# KiCad board VCU_CM5.kicad_pcb (continued)
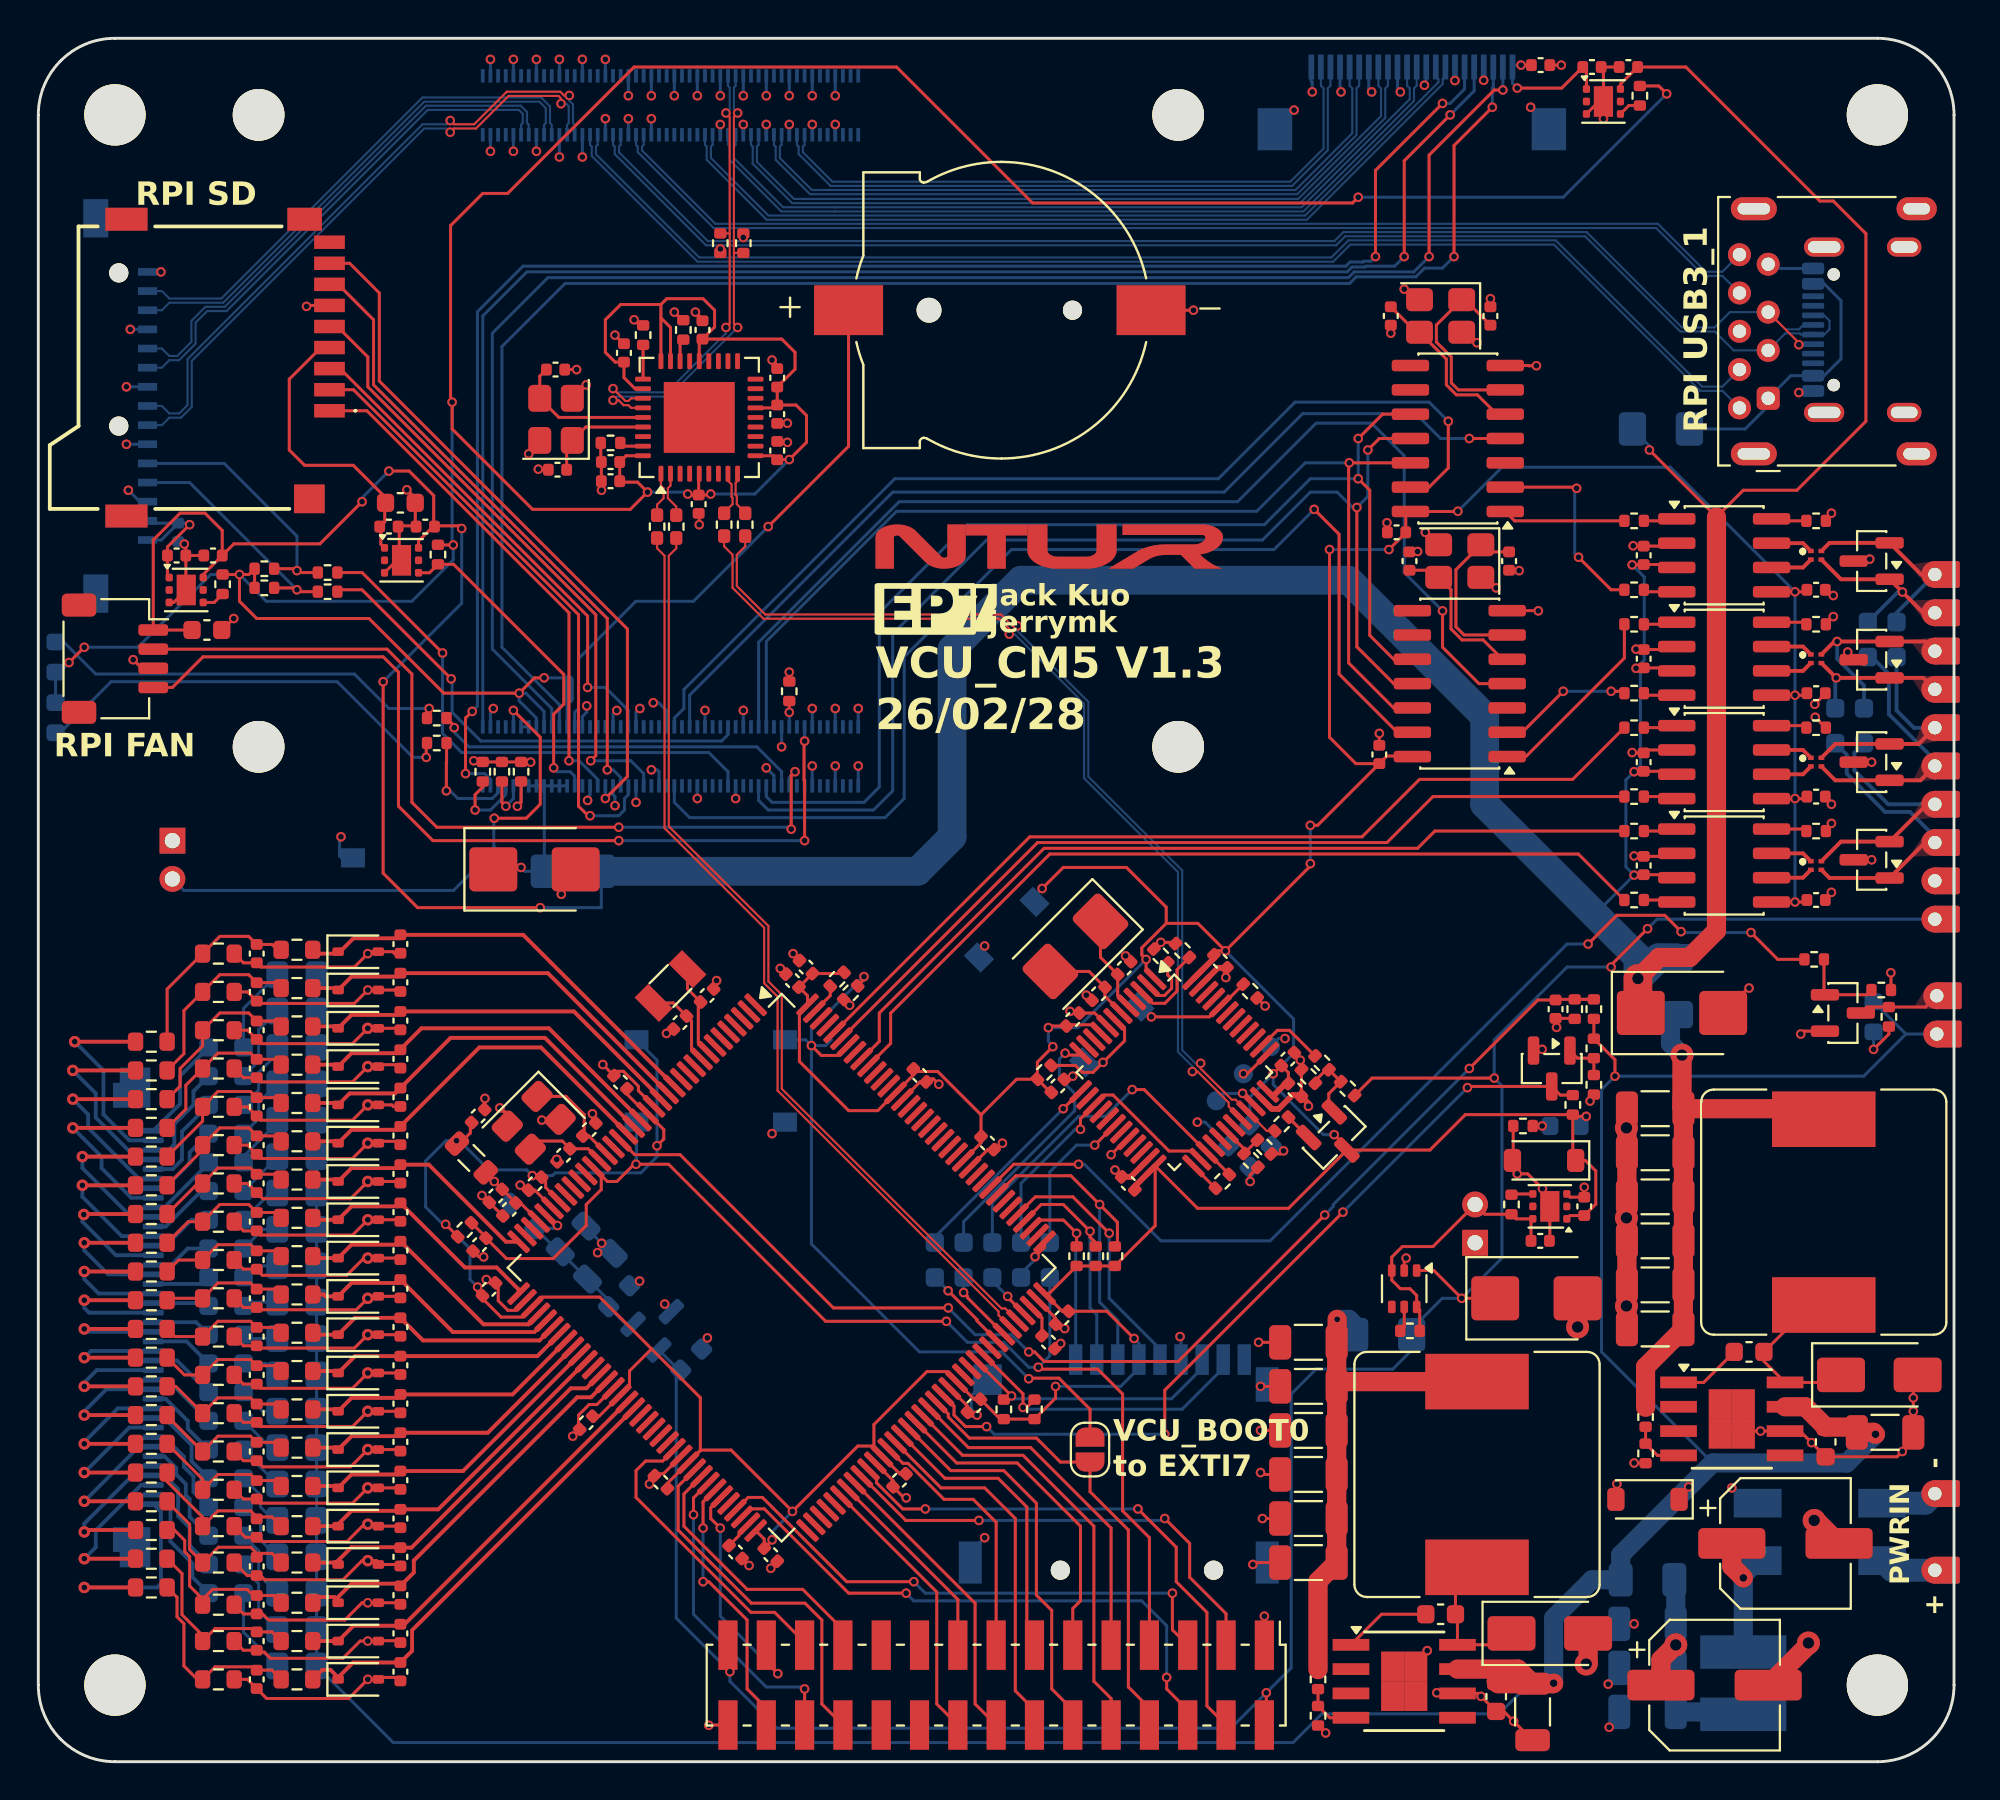
[diagram p0: board, top side]
## Placement (name value [footprint] x y rotation side) (continued)
R73  75R  [R_0603_1608Metric_Pad0.98x0.95mm_HandSolder]  9.8 19.3 0 bottom
R74  75R  [R_0603_1608Metric_Pad0.98x0.95mm_HandSolder]  9.8 17.8 0 bottom
R75  75R  [R_0603_1608Metric_Pad0.98x0.95mm_HandSolder]  9.8 16.3 0 bottom
R76  75R  [R_0603_1608Metric_Pad0.98x0.95mm_HandSolder]  9.8 14.8 0 bottom
R77  75R  [R_0603_1608Metric_Pad0.98x0.95mm_HandSolder]  9.8 13.3 0 bottom
R78  75R  [R_0603_1608Metric_Pad0.98x0.95mm_HandSolder]  9.8 11.8 0 bottom
R79  75R  [R_0603_1608Metric_Pad0.98x0.95mm_HandSolder]  9.8 10.3 0 bottom
R80  75R  [R_0603_1608Metric_Pad0.98x0.95mm_HandSolder]  9.8 8.8 0 bottom
R81  75R  [R_0603_1608Metric]  5.9 37.6 0 top
R82  75R  [R_0603_1608Metric]  5.9 36.1 0 top
R83  75R  [R_0603_1608Metric]  5.9 34.6 0 top
R84  75R  [R_0603_1608Metric]  5.9 33.1 0 top
R85  75R  [R_0603_1608Metric]  5.9 31.6 0 top
R86  75R  [R_0603_1608Metric]  5.9 30.1 0 top
R87  75R  [R_0603_1608Metric]  5.9 28.6 0 top
R88  75R  [R_0603_1608Metric]  5.9 27.1 0 top
R89  75R  [R_0603_1608Metric]  5.9 25.6 0 top
R90  75R  [R_0603_1608Metric]  5.9 24.1 0 top
R91  75R  [R_0603_1608Metric]  5.9 22.6 0 top
R92  75R  [R_0603_1608Metric]  5.9 21.1 0 top
R93  75R  [R_0603_1608Metric]  5.9 19.6 0 top
R94  75R  [R_0603_1608Metric]  5.9 18.1 0 top
R95  75R  [R_0603_1608Metric]  5.9 16.6 0 top
R96  75R  [R_0603_1608Metric]  5.9 15.1 0 top
R97  75R  [R_0603_1608Metric]  5.9 13.6 0 top
R98  75R  [R_0603_1608Metric]  5.9 12.1 0 top
R99  75R  [R_0603_1608Metric]  5.9 10.6 0 top
R100  75R  [R_0603_1608Metric]  5.9 9.1 0 top
R101  150R 1%  [R_0603_1608Metric]  9.4 40.2 0 top
R102  100R  [R_0603_1608Metric]  13.5 40.4 0 top
R103  150R 1%  [R_0603_1608Metric]  9.4 38.2 0 top
R104  100R  [R_0603_1608Metric]  13.5 38.4 0 top
R105  150R 1%  [R_0603_1608Metric]  9.4 36.2 0 top
R106  100R  [R_0603_1608Metric]  13.5 36.4 0 top
R107  150R 1%  [R_0603_1608Metric]  9.4 34.2 0 top
R108  100R  [R_0603_1608Metric]  13.5 34.4 0 top
R109  150R 1%  [R_0603_1608Metric]  9.4 32.2 0 top
R110  100R  [R_0603_1608Metric]  13.5 32.4 0 top
R111  150R 1%  [R_0603_1608Metric]  9.4 30.2 0 top
R112  100R  [R_0603_1608Metric]  13.5 30.4 0 top
R113  150R 1%  [R_0603_1608Metric]  9.4 28.2 0 top
R114  100R  [R_0603_1608Metric]  13.5 28.4 0 top
R115  150R 1%  [R_0603_1608Metric]  9.4 26.2 0 top
R116  100R  [R_0603_1608Metric]  13.5 26.4 0 top
R117  150R 1%  [R_0603_1608Metric]  9.4 24.2 0 top
R118  100R  [R_0603_1608Metric]  13.5 24.4 0 top
R119  150R 1%  [R_0603_1608Metric]  9.4 22.2 0 top
R120  100R  [R_0603_1608Metric]  13.5 22.4 0 top
R121  150R 1%  [R_0603_1608Metric]  9.4 20.2 0 top
R122  100R  [R_0603_1608Metric]  13.5 20.4 0 top
R123  150R 1%  [R_0603_1608Metric]  9.4 18.2 0 top
R124  100R  [R_0603_1608Metric]  13.5 18.4 0 top
R125  150R 1%  [R_0603_1608Metric]  9.4 16.2 0 top
R126  100R  [R_0603_1608Metric]  13.5 16.4 0 top
R127  10k  [R_0402_1005Metric]  22.25 27.78 45 top
R128  10k  [R_0603_1608Metric_Pad0.98x0.95mm_HandSolder]  25.3 28.5 315 bottom
R129  10k  [R_0402_1005Metric]  41.7 40.86 225 top
R130  10k  [R_0402_1005Metric]  42.41 40.15 45 top
R131  0R  [R_0402_1005Metric_Pad0.72x0.64mm_HandSolder]  32.3 64.5 90 top
R132  0R  [R_0402_1005Metric_Pad0.72x0.64mm_HandSolder]  33.3 64.5 90 top
R133  0R  [R_0402_1005Metric]  36.8 79.3 270 top
R134  0R  [R_0402_1005Metric]  35.6 79.3 90 top
R135  4k7  [R_0402_1005Metric]  50.4 18.4 270 top
R136  4k7  [R_0402_1005Metric]  52 18.4 270 top
R137  4k7  [R_0402_1005Metric]  54.2 26.4 270 top
R138  4k7  [R_0402_1005Metric]  55.2 26.4 270 top
R139  4k7  [R_0402_1005Metric]  56.2 26.4 270 top
R140  150R 1%  [R_0603_1608Metric]  9.4 14.2 0 top
R141  100R  [R_0603_1608Metric]  13.5 14.4 0 top
R142  100  [R_0402_1005Metric]  92.7 41.9 180 top
R143  100k  [R_0402_1005Metric]  96.2 40.3 180 top
R144  10k  [R_0402_1005Metric]  96.6 38.9 270 top
R145  47k 1%  [R_0402_1005Metric]  66.8 4.3 270 top
R146  15k 1%  [R_0402_1005Metric]  66.8 2.4 270 top
R147  22R  [R_0402_1005Metric]  83.3 59.4 0 top
R148  22R  [R_0402_1005Metric]  83.3 55.8 0 top
R149  10k  [R_0402_1005Metric]  92.8 59.4 0 top
R150  56k  [R_0402_1005Metric]  31.57 74.5 270 top
R151  12k  [R_0402_1005Metric]  29.87 68.87 0 top
R152  56k  [R_0402_1005Metric]  33.67 74.77 270 top
R155  22R  [R_0402_1005Metric]  83.3 64.8 0 top
R156  22R  [R_0402_1005Metric]  83.3 61.2 0 top
R158  10k  [R_0402_1005Metric]  92.8 64.8 0 top
R160  22R  [R_0402_1005Metric]  83.3 54 0 top
R161  22R  [R_0402_1005Metric]  83.3 50.4 0 top
R162  10k  [R_0402_1005Metric]  92.8 54 0 top
SW1  RPI_PWR  [SW_Tactile_SPST_NO_Straight_CK_PTS636Sx25SMTRLFS]  20.3 47.2 180 bottom
SW2  RESET  [SW_Tactile_SPST_NO_Straight_CK_PTS636Sx25SMTRLFS]  35.1 33.4 180 bottom
SW3  BOOT0  [SW_Tactile_SPST_NO_Straight_CK_PTS636Sx25SMTRLFS]  35.1 37.7 180 bottom
SW4  RESET  [SW_Tactile_SPST_NO_Straight_CK_PTS636Sx25SMTRLFS]  51.84 39.26 315 bottom
SW5  RESET  [SW_Tactile_SPST_NO_Straight_CK_PTS636Sx25SMTRLFS]  54.74 42.16 135 bottom
TP1  RPI_CAN0_H  [edge_pad_1.4mm_0.7mm]  99 62 90 top
TP2  RPI_CAN0_L  [edge_pad_1.4mm_0.7mm]  99 60 90 top
TP3  RPI_CAN1_H  [edge_pad_1.4mm_0.7mm]  99 58 90 top
TP4  RPI_CAN1_L  [edge_pad_1.4mm_0.7mm]  99 56 90 top
TP5  STM32_CAN1_H  [edge_pad_1.4mm_0.7mm]  99 54 90 top
TP6  STM32_CAN1_L  [edge_pad_1.4mm_0.7mm]  99 52 90 top
TP7  STM32_CAN2_H  [edge_pad_1.4mm_0.7mm]  99 50 90 top
TP8  STM32_CAN2_L  [edge_pad_1.4mm_0.7mm]  99 48 90 top
TP9  GND_in  [edge_pad_1.4mm_0.7mm]  99 14 90 top
TP10  GND  [edge_pad_1.4mm_0.7mm]  99 46 90 top
TP11  24V_in  [edge_pad_1.4mm_0.7mm]  99 10 90 top
TP12  +5V  [edge_pad_1.4mm_0.7mm]  99 44 90 top
TP13  BUZZER_P  [edge_pad_1.4mm_0.7mm]  99.1 38 90 top
TP14  BUZZER_N  [edge_pad_1.4mm_0.7mm]  99.1 40 90 top
TP15  S_DIO  [TestPoint_Pad_D1.0mm]  61.49 34.52 225 bottom
TP16  S_CLK  [TestPoint_Pad_D1.0mm]  62.91 35.93 225 bottom
TP17  S_GND  [TestPoint_Pad_D1.0mm]  64.32 37.34 225 bottom
U1  LM66100DCK  [SOT-363_SC-70-6]  71.3 24.7 270 top
U2  TLV75733PDRV  [WSON-6-1EP_2x2mm_P0.65mm_EP1x1.6mm]  78.9 29 180 top
U3  TPS5430DDA  [TI_SO-PowerPAD-8]  88.4 17.9 0 top
U4  TCAN1042VDRQ1  [SOIC-8_3.9x4.9mm_P1.27mm]  88 46.8 0 top
U5  STM32F103CBT6  [LQFP-48_7x7mm_P0.5mm]  59.3 36 315 top
U6  TLV75733PDRV  [WSON-6-1EP_2x2mm_P0.65mm_EP1x1.6mm]  18.96 62.74 0 top
U7  TLV75733PDRV  [WSON-6-1EP_2x2mm_P0.65mm_EP1x1.6mm]  81.7 86.7 0 top
U8  TLV75733PDRV  [WSON-6-1EP_2x2mm_P0.65mm_EP1x1.6mm]  7.72 61.19 0 top
U9  MCP2518FD  [SOIC-14_3.9x8.7mm_P1.27mm]  74.1 69.1 180 top
U10  MCP2518FD  [SOIC-14_3.9x8.7mm_P1.27mm]  74.2 56.3 180 top
U11  REF3133AIDBZR  [SOT-23]  32.38 22.84 45 bottom  (not fitted)
U12  STM32H743ZITx  [LQFP-144_20x20mm_P0.5mm]  38.8 25.8 315 top
U13  TPS5430DDA  [TI_SO-PowerPAD-8]  71.3 4.2 0 top
U14  TCAN1042VDRQ1  [SOIC-8_3.9x4.9mm_P1.27mm]  88 57.6 0 top
U15  USB2514B_Bi  [QFN-36-1EP_6x6mm_P0.5mm_EP3.7x3.7mm]  34.5 70.2 90 top
U17  TCAN1042VDRQ1  [SOIC-8_3.9x4.9mm_P1.27mm]  88 63 0 top
U19  TCAN1042VDRQ1  [SOIC-8_3.9x4.9mm_P1.27mm]  88 52.2 0 top
Y1  8MHz X50328MSB2GI  [Crystal_SMD_5032-2Pin_5.0x3.2mm]  54.14 42.58 225 top
Y2  40Mhz XTM32040000DT00351001  [Crystal_SMD_3225-4Pin_3.2x2.5mm]  73.2 75.5 180 top
Y3  40Mhz XTM32040000DT00351001  [Crystal_SMD_3225-4Pin_3.2x2.5mm]  74.2 62.7 180 top
Y4  40Mhz XTM32040000DT00351001  [Crystal_SMD_3225-4Pin_3.2x2.5mm]  25.86 33.37 225 top
Y5  32.768kHz Q13FC13500004  [Crystal_SMD_3215-2Pin_3.2x1.5mm]  33 40.51 45 top
Y6  24Mhz X322524MOB4SI  [Crystal_SMD_3225-4Pin_3.2x2.5mm]  27.03 70.1 90 top

## Library data of the parts
BT1 = -: PARTREV: D; STANDARD: Manufacturer Recommendations; MAXIMUM_PACKAGE_HEIGHT: 3.99mm; MANUFACTURER: Keystone
C1 C5 = -: Description: Polarized capacitor, small symbol; ki_fp_filters: CP_*
C2-C4 C6-C11 C18-C113 C120-C131 C136 C137 C143 C144 = -: Description: Unpolarized capacitor, small symbol; ki_fp_filters: C_*
C12-C17 C114-C119 = -: Description: CL31A476MPHNNN; ki_fp_filters: C_*
D1 D3 D7-D12 D18-D31 = -: Description: Zener diode, small symbol; ki_fp_filters: TO-???* *_Diode_* *SingleDiode* D_*
D2 = -: Description: Light emitting diode; Sim.Pins: 1=K 2=A; ki_fp_filters: LED* LED_SMD:* LED_THT:*
D4 D33 = -: Datasheet: https://www.laro.com.pl/pdf/ss56.pdf; Description: SMC Schottky diode, 40V, 5A, Alternate KiCAD Library; ki_fp_filters: TO-???* *_Diode_* *SingleDiode* D_*
D5 D17 D34 = -: Datasheet: https://www.tme.eu/Document/0b6222bec7e12d83185b51d73cb6a54d/SMBJ_ser.pdf; Description: SMB Unidirectional TVS diode, 5V, 600W, Alternate KiCAD Library; ki_fp_filters: TO-???* *_Diode_* *SingleDiode* D_*
D6 D35 D36 D38 = -: Datasheet: https://www.onsemi.com/pub_link/Collateral/NUP2105L-D.PDF; Description: Dual Line CAN Bus Protector, 24Vrwm; ki_fp_filters: SOT?23*
D13 D14 = -: Description: Light emitting diode; ki_fp_filters: LED* LED_SMD:* LED_THT:*
D15 D16 = -: Description: Light emitting diode, small symbol; Sim.Pin: 1=K 2=A; ki_fp_filters: LED* LED_SMD:* LED_THT:*
D32 = -: Description: Light emitting diode, small symbol; ki_fp_filters: LED* LED_SMD:* LED_THT:*
F1-F25 = -: Description: Fuse, small symbol; ki_fp_filters: *Fuse*
FB1 = -: Description: Ferrite bead; ki_fp_filters: Inductor_* L_* *Ferrite*
FL1 = -: Datasheet: https://product.tdk.com/system/files/dam/doc/product/emc/emc/cmf_cmc/datasheets/cmf_automotive_power_acm70v_en.pdf; Description: Common Mode Choke 700R 4A R015 SMD TDK ACM-V Series Shielded SMD Common Mode Line Filter with a Ferrite Core, Wire-Wound 4A Idc; Height: 3; Mouser Part Number: 810-ACM70V7012PLTL00; Mouser Price/Stock: https://www.mouser.co.uk/ProductDetail/TDK/ACM70V-701-2PL-TL00?qs=YvrHl8DOVkzRE2uVQ82ErQ%3D%3D; Manufacturer_Name: TDK
FL2-FL5 = -: Datasheet: https://industrial.panasonic.com/cdbs/www-data/pdf/AWE0000/AWE0000C258.pdf; Description: Series/Type: Common mode Filters (0202 small size), Size [LW] (mm): 0.650.50, Height (mm): 0.3, Impedance [Common Mode] (): 90, Rated Voltage [DC] (V): 5, Rated Current [DC] (mA): 100, DC Resistance [max.] (): 3.0+/-30%, Number of circuit: 1; Mouser Part Number: 667-EXC-X4CE900U; Mouser Price/Stock: https://www.mouser.co.uk/ProductDetail/Panasonic/EXC-X4CE900U?qs=r%2Fc3XikQTkKbkY%2FGNti4Lw%3D%3D; Manufacturer_Name: Panasonic; Manufacturer_Part_Number: EXC-X4CE900U; Simulation Data: https://industrial.panasonic.com/content/data/CC/files/EXCX4CE900U.zip
H1-H4 = -: Description: Mounting Hole without connection; ki_fp_filters: MountingHole*
J1 = -: Description: USB 3.0 A connector; ki_fp_filters: USB3*
J2 J3 = -: Description: Generic connector, single row, 01x02, script generated (kicad-library-utils/schlib/autogen/connector/); ki_fp_filters: Connector*:*_1x??_*
J4 = -: Description: Generic connectable mounting pin connector, single row, 01x04, script generated (kicad-library-utils/schlib/autogen/connector/); Field5: SHBM04B-SRSS-TB; Field6: SHBM04B-SRSS-TB; Field7: JST; Part Description: 4 pin vertical 1mm pitch connector; ki_fp_filters: Connector*:*_1x??-1MP*
J5 = -: Description: Generic connectable mounting pin connector, single row, 01x22, script generated (kicad-library-utils/schlib/autogen/connector/); Field4: Mouser; Field5: 798-FH12-22S-0.5SH55; Field6: FH12-22S-0.5SH55; Field7: Hirose; Part Description: 22 Position FFC, FPC Connector Contacts, Bottom 0.020" (0.50mm) Surface Mount, Right Angle; ki_fp_filters: Connector*:*_1x??-1MP*
J6 = -: Description: Generic connectable mounting pin connector, single row, 01x15, script generated (kicad-library-utils/schlib/autogen/connector/); ki_fp_filters: Connector*:*_1x??-1MP*
J7 J10 = -: Datasheet: https://www.cuidevices.com/product/resource/pdf/msd-4-a.pdf; Description: Memory Card Connectors 9 Positions, Push In, Auto Eject Out, SMT, 1.8 mm Height Above Board,; Height: 2; Mouser Part Number: 179-MSD-4-A; Mouser Price/Stock: https://www.mouser.co.uk/ProductDetail/CUI-Devices/MSD-4-A?qs=Z%252BL2brAPG1Jll%252BQTi%252Btupg%3D%3D; Manufacturer_Name: CUI Devices
J8 = -: Description: Generic connectable mounting pin connector, single row, 01x40, script generated (kicad-library-utils/schlib/autogen/connector/); ki_fp_filters: Connector*:*_1x??-1MP*
J9 = -: Description: Generic connector, double row, 02x15, odd/even pin numbering scheme (row 1 odd numbers, row 2 even numbers), script generated (kicad-library-utils/schlib/autogen/connector/); ki_fp_filters: Connector*:*_2x??_*
J24 = -: Datasheet: https://www.usb.org/sites/default/files/documents/usb_type-c.zip; Description: USB 2.0-only 16P Type-C Receptacle connector; ki_fp_filters: USB*C*Receptacle*
JP1 = -: Description: Solder Jumper, 2-pole, open; ki_fp_filters: SolderJumper*Open*
L1-L3 = -: Description: Inductor, small symbol; ki_fp_filters: Choke_* *Coil* Inductor_* L_*
Module1 = -: Description: RaspberryPi Compute module 5; Field4: Amphenol; Field5: 2x 10164227-1001A1RLF
NT1 = -: Description: Net tie, 2 pins; ki_fp_filters: Net*Tie*
Q1 = -: Datasheet: https://www.tme.eu/Document/d4ede4a51fd4cb2a092d6e1960f91635/AO3400A.pdf; Description: SOT-23 N-MOSFET enchancement mode transistor, 30V, 5.7A, 1.4W, Alternate KiCAD Library
Q2 = -: Datasheet: https://www.onsemi.com/pdf/datasheet/pzt3904-d.pdf; Description: 0.2A Ic, 40V Vce, Small Signal NPN Transistor, SOT-23; ki_fp_filters: SOT?23*
Q3 = -: Datasheet: https://www.tme.eu/Document/7df5cae36abdfcedddb681f5be886f05/2N7000.pdf; Description: SOT-23 N-MOSFET enchancement mode transistor, 60V, 115mA, 200mW, Alternate KiCAD Library
R1-R128 R131-R134 R140-R152 R155 R156 R158 R160-R162 = -: Description: Resistor, small symbol; ki_fp_filters: R_*
R129 R130 R135-R139 = -: Description: Resistor; ki_fp_filters: R_*
SW1-SW5 = -: Description: Push button switch, generic, two pins
TP1-TP17 = -: Description: test point; ki_fp_filters: Pin* Test*
U1 = -: Datasheet: https://www.ti.com/lit/ds/symlink/lm66100.pdf; Description: Ideal Diode With Input Polarity Protection 1.5 - 5.5V  Input Voltage, 1.5A Output Current, Ron 141 mOhm, SC-70-6; ki_fp_filters: *SC?70*
U2 U6-U8 = -: Datasheet: https://www.ti.com/lit/ds/symlink/tlv757p.pdf; Description: 1A Low IQ Small Size Low Dropout Voltage Regulator, Fixed Output 3.3V, WSON6; ki_fp_filters: WSON*1EP*2x2mm*P0.65mm*
U3 U13 = -: Datasheet: http://www.ti.com/lit/ds/symlink/tps5430.pdf; Description: 3A, Step Down Swift Converter, Adjustable Output Voltage, 5.5-36V Input Voltage, PowerSO-8; ki_fp_filters: TI*SO*PowerPAD*ThermalVias*
U4 U14 U17 U19 = -: ki_fp_filters: D0008A_N D0008A_M D0008A_L
U5 = -: Datasheet: https://www.st.com/resource/en/datasheet/stm32f103cb.pdf; Description: STMicroelectronics Arm Cortex-M3 MCU, 128KB flash, 20KB RAM, 72 MHz, 2.0-3.6V, 37 GPIO, LQFP48; ki_fp_filters: LQFP*7x7mm*P0.5mm*
U9 U10 = -: Datasheet: https://ww1.microchip.com/downloads/en/DeviceDoc/MCP2517FD-External-CAN-FD-Controller-with-SPI-Interface-20005688B.pdf; Description: External CAN FD Controller with SPI Interface, SOIC-14; ki_fp_filters: SOIC*3.9x8.7mm*P1.27mm*
U11 = -: Description: Generic 3-terminal voltage regulator, Alternate KiCad Library
U12 = -: Datasheet: https://www.st.com/resource/en/datasheet/stm32h743zi.pdf; Description: STMicroelectronics Arm Cortex-M7 MCU, 2048KB flash, 1024KB RAM, 480 MHz, 1.62-3.6V, 114 GPIO, LQFP144; ki_fp_filters: LQFP*20x20mm*P0.5mm*
U15 = -: Datasheet: http://ww1.microchip.com/downloads/en/DeviceDoc/00001692C.pdf; Description: USB 2.0 Hi-Speed Hub Controller; ki_fp_filters: QFN*6x6mm*P0.5mm*
Y1 Y5 = -: Description: Two pin crystal; ki_fp_filters: Crystal*
Y2-Y4 Y6 = -: Description: Four pin crystal, GND on pins 2 and 4; ki_fp_filters: Crystal*

## Footprints (pads in the part's own frame, mm; a bottom-side part is the same pattern mirrored in y, then rotated)
Amphenol_F32Q-1A7x1-11040_1x40-1MP_P0.5mm_Horizontal
  rrect 0.3x1.1 smd: 1(-9.75,2.9) 2(-9.25,2.9) 3(-8.75,2.9) 4(-8.25,2.9) 5(-7.75,2.9) 6(-7.25,2.9) 7(-6.75,2.9) 8(-6.25,2.9) 9(-5.75,2.9) 10(-5.25,2.9) 11(-4.75,2.9) 12(-4.25,2.9) 13(-3.75,2.9) 14(-3.25,2.9) 15(-2.75,2.9) 16(-2.25,2.9) 17(-1.75,2.9) 18(-1.25,2.9) 19(-0.75,2.9) 20(-0.25,2.9) 21(0.25,2.9) 22(0.75,2.9) 23(1.25,2.9) 24(1.75,2.9) 25(2.25,2.9) 26(2.75,2.9) 27(3.25,2.9) 28(3.75,2.9) 29(4.25,2.9) 30(4.75,2.9) 31(5.25,2.9) 32(5.75,2.9) 33(6.25,2.9) 34(6.75,2.9) 35(7.25,2.9) 36(7.75,2.9) 37(8.25,2.9) 38(8.75,2.9) 39(9.25,2.9) 40(9.75,2.9)
  custom 2.1x1.95 smd: MP(-12,1.775) MP(12,1.775)
BAT_1056
  round 1.3 hole 1.3 unplated: (-3.98,0)
  round 1 hole 1 unplated: (3.51,0)
  rect 3.6x2.6 smd: N(7.61,0) P(-8.18,0)
C_0402_1005Metric
  rrect 0.56x0.62 smd: 1(-0.48,0) 2(0.48,0)
C_0603_1608Metric
  rrect 0.9x0.95 smd: 1(-0.775,0) 2(0.775,0)
C_0805_2012Metric
  rrect 1x1.45 smd: 1(-0.95,0) 2(0.95,0)
C_1206_3216Metric
  rrect 1.15x1.8 smd: 1(-1.475,0) 2(1.475,0)
Common_Mode_Choke_4A_ACM70V7012PLTL00
  rect 2.5x1.5 smd: 1(-3.25,1.5) 2(-3.25,-1.5) 3(3.25,-1.5) 4(3.25,1.5)
CP_Elec_6.3x5.2
  rrect 3.5x1.6 smd: 1(-2.8,0) 2(2.8,0)
Crystal_SMD_3215-2Pin_3.2x1.5mm
  rect 1x1.8 smd: 1(1.25,0) 2(-1.25,0)
Crystal_SMD_3225-4Pin_3.2x2.5mm
  rrect 1.4x1.2 smd: 1(-1.1,-0.85) 2(1.1,-0.85) 3(1.1,0.85) 4(-1.1,0.85)
Crystal_SMD_5032-2Pin_5.0x3.2mm
  rrect 2x2.4 smd: 1(-1.85,0) 2(1.85,0)
D_SMA
  rrect 2.5x1.8 smd: 1(-2,0) 2(2,0)
D_SMB
  rrect 2.5x2.3 smd: 1(-2.15,0) 2(2.15,0)
D_SOD-123
  rrect 0.9x1.2 smd: 1(-1.65,0) 2(1.65,0)
D_SOD-323
  rrect 0.6x0.45 smd: 1(-1.05,0) 2(1.05,0)
edge_pad_1.4mm_0.7mm
  custom 1.2x1.2 smd: 1(0,0)
  round 1.4 hole 0.7: 1(0,0)
  rrect 1.4x1.4 smd: 1(0,-0.6)
  rrect 1.4x1.4 smd far side: 1(0,-0.6)
EXCX4CE900U
  rect 0.225x0.3 smd: 1(-0.225,-0.275) 2(0.225,-0.275) 3(0.225,0.275) 4(-0.225,0.275)
Fuse_0805_2012Metric_Pad1.15x1.40mm_HandSolder
  rrect 1.15x1.4 smd: 1(-1.025,0) 2(1.025,0)
Fuse_1206_3216Metric
  rrect 1.25x1.75 smd: 1(-1.4,0) 2(1.4,0)
Fuse_1206_3216Metric_Pad1.42x1.75mm_HandSolder
  rrect 1.425x1.75 smd: 1(-1.488,0) 2(1.488,0)
Hirose_FH12-22S-0.5SH_1x22-1MP_P0.50mm_Horizontal
  rect 0.3x1.3 smd: 1(-5.25,1.85) 2(-4.75,1.85) 3(-4.25,1.85) 4(-3.75,1.85) 5(-3.25,1.85) 6(-2.75,1.85) 7(-2.25,1.85) 8(-1.75,1.85) 9(-1.25,1.85) 10(-0.75,1.85) 11(-0.25,1.85) 12(0.25,1.85) 13(0.75,1.85) 14(1.25,1.85) 15(1.75,1.85) 16(2.25,1.85) 17(2.75,1.85) 18(3.25,1.85) 19(3.75,1.85) 20(4.25,1.85) 21(4.75,1.85) 22(5.25,1.85)
  rect 1.8x2.2 smd: MP(-7.15,-1.4) MP(7.15,-1.4)
JST_SH_SM04B-SRSS-TB_1x04-1MP_P1.00mm_Horizontal
  rrect 0.6x1.55 smd: 1(-1.5,2) 2(-0.5,2) 3(0.5,2) 4(1.5,2)
  rrect 1.2x1.8 smd: MP(-2.8,-1.875) MP(2.8,-1.875)
L_0805_2012Metric
  rrect 0.875x1.2 smd: 1(-1.062,0) 2(1.062,0)
L_Bourns_SRR1260
  rect 2.9x5.4 smd: 1(-4.85,0) 2(4.85,0)
L_Ferrocore_DLG-0403
  rect 1.75x4.5 smd: 1(-1.625,0) 2(1.625,0)
LED_0603_1608Metric
  rrect 0.875x0.95 smd: 1(-0.787,0) 2(0.787,0)
LQFP-48_7x7mm_P0.5mm
  rrect 1.475x0.3 smd: 1(-4.162,2.75) 2(-4.162,2.25) 3(-4.162,1.75) 4(-4.162,1.25) 5(-4.162,0.75) 6(-4.162,0.25) 7(-4.162,-0.25) 8(-4.162,-0.75) 9(-4.162,-1.25) 10(-4.162,-1.75) 11(-4.162,-2.25) 12(-4.162,-2.75) 25(4.162,-2.75) 26(4.162,-2.25) 27(4.162,-1.75) 28(4.162,-1.25) 29(4.162,-0.75) 30(4.162,-0.25) 31(4.162,0.25) 32(4.162,0.75) 33(4.162,1.25) 34(4.162,1.75) 35(4.162,2.25) 36(4.162,2.75)
  rrect 0.3x1.475 smd: 13(-2.75,-4.162) 14(-2.25,-4.162) 15(-1.75,-4.162) 16(-1.25,-4.162) 17(-0.75,-4.162) 18(-0.25,-4.162) 19(0.25,-4.162) 20(0.75,-4.162) 21(1.25,-4.162) 22(1.75,-4.162) 23(2.25,-4.162) 24(2.75,-4.162) 37(2.75,4.162) 38(2.25,4.162) 39(1.75,4.162) 40(1.25,4.162) 41(0.75,4.162) 42(0.25,4.162) 43(-0.25,4.162) 44(-0.75,4.162) 45(-1.25,4.162) 46(-1.75,4.162) 47(-2.25,4.162) 48(-2.75,4.162)
LQFP-144_20x20mm_P0.5mm
  rrect 1.475x0.3 smd: 1(-10.662,8.75) 2(-10.662,8.25) 3(-10.663,7.75) 4(-10.662,7.25) 5(-10.662,6.75) 6(-10.662,6.25) 7(-10.662,5.75) 8(-10.662,5.25) 9(-10.662,4.75) 10(-10.662,4.25) 11(-10.662,3.75) 12(-10.662,3.25) 13(-10.662,2.75) 14(-10.662,2.25) 15(-10.662,1.75) 16(-10.663,1.25) 17(-10.662,0.75) 18(-10.662,0.25) 19(-10.662,-0.25) 20(-10.662,-0.75) 21(-10.663,-1.25) 22(-10.662,-1.75) 23(-10.662,-2.25) 24(-10.662,-2.75) 25(-10.662,-3.25) 26(-10.662,-3.75) 27(-10.662,-4.25) 28(-10.662,-4.75) 29(-10.662,-5.25) 30(-10.662,-5.75) 31(-10.662,-6.25) 32(-10.662,-6.75) 33(-10.662,-7.25) 34(-10.663,-7.75) 35(-10.662,-8.25) 36(-10.662,-8.75) 73(10.662,-8.75) 74(10.662,-8.25) 75(10.663,-7.75) 76(10.662,-7.25) 77(10.662,-6.75) 78(10.662,-6.25) 79(10.662,-5.75) 80(10.662,-5.25) 81(10.662,-4.75) 82(10.662,-4.25) 83(10.662,-3.75) 84(10.662,-3.25) 85(10.662,-2.75) 86(10.662,-2.25) 87(10.662,-1.75) 88(10.663,-1.25) 89(10.662,-0.75) 90(10.662,-0.25) 91(10.662,0.25) 92(10.662,0.75) 93(10.663,1.25) 94(10.662,1.75) 95(10.662,2.25) 96(10.662,2.75) 97(10.662,3.25) 98(10.662,3.75) 99(10.662,4.25) 100(10.662,4.75) 101(10.662,5.25) 102(10.662,5.75) 103(10.662,6.25) 104(10.662,6.75) 105(10.662,7.25) 106(10.663,7.75) 107(10.662,8.25) 108(10.662,8.75)
  rrect 0.3x1.475 smd: 37(-8.75,-10.662) 38(-8.25,-10.662) 39(-7.75,-10.663) 40(-7.25,-10.662) 41(-6.75,-10.662) 42(-6.25,-10.662) 43(-5.75,-10.662) 44(-5.25,-10.662) 45(-4.75,-10.662) 46(-4.25,-10.662) 47(-3.75,-10.662) 48(-3.25,-10.662) 49(-2.75,-10.662) 50(-2.25,-10.662) 51(-1.75,-10.662) 52(-1.25,-10.663) 53(-0.75,-10.662) 54(-0.25,-10.662) 55(0.25,-10.662) 56(0.75,-10.662) 57(1.25,-10.663) 58(1.75,-10.662) 59(2.25,-10.662) 60(2.75,-10.662) 61(3.25,-10.662) 62(3.75,-10.662) 63(4.25,-10.662) 64(4.75,-10.662) 65(5.25,-10.662) 66(5.75,-10.662) 67(6.25,-10.662) 68(6.75,-10.662) 69(7.25,-10.662) 70(7.75,-10.663) 71(8.25,-10.662) 72(8.75,-10.662) 109(8.75,10.662) 110(8.25,10.662) 111(7.75,10.663) 112(7.25,10.662) 113(6.75,10.662) 114(6.25,10.662) 115(5.75,10.662) 116(5.25,10.662) 117(4.75,10.662) 118(4.25,10.662) 119(3.75,10.662) 120(3.25,10.662) 121(2.75,10.662) 122(2.25,10.662) 123(1.75,10.662) 124(1.25,10.663) 125(0.75,10.662) 126(0.25,10.662) 127(-0.25,10.662) 128(-0.75,10.662) 129(-1.25,10.663) 130(-1.75,10.662) 131(-2.25,10.662) 132(-2.75,10.662) 133(-3.25,10.662) 134(-3.75,10.662) 135(-4.25,10.662) 136(-4.75,10.662) 137(-5.25,10.662) 138(-5.75,10.662) 139(-6.25,10.662) 140(-6.75,10.662) 141(-7.25,10.662) 142(-7.75,10.663) 143(-8.25,10.662) 144(-8.75,10.662)
Molex_200528-0150_1x15-1MP_P1.00mm_Horizontal
  rect 0.4x1 smd: 1(-7,0.91) 2(-6,0.91) 3(-5,0.91) 4(-4,0.91) 5(-3,0.91) 6(-2,0.91) 7(-1,0.91) 8(0,0.91) 9(1,0.91) 10(2,0.91) 11(3,0.91) 12(4,0.91) 13(5,0.91) 14(6,0.91) 15(7,0.91)
  rect 2x1.3 smd: MP(-9.8,-1.79) MP(9.8,-1.79)
MountingHole_3.2mm_M3
  round 3.2 hole 3.2 unplated: (0,0)
MSD4A
  round 1 hole 1 unplated: (-4.95,-4.1) (3.05,-4.1)
  rect 0.7x1.6 smd: 1(2.25,6.9) 2(1.15,6.9) 3(0.05,6.9) 4(-1.05,6.9) 5(-2.15,6.9) 6(-3.25,6.9) 7(-4.35,6.9) 8(-5.45,6.9) CD1(-6.55,6.9)
  rect 1.5x1.6 smd: G1(6.85,5.85)
  rect 1.2x2.2 smd: G2(7.75,-3.7) G3(-7.75,-3.7)
  rect 1.2x1.8 smd: G4(-7.75,5.6)
NetTie-2_SMD_Pad0.5mm
  round 0.5 smd: 1(-0.5,0) 2(0.5,0)
PinHeader_1x02_P2.00mm_Horizontal
  rect 1.35x1.35 hole 0.8: 1(0,0)
  round 1.35 hole 0.8: 2(0,-2)
PinHeader_2x15_P2.00mm_Vertical_SMD
  rect 2.58x1 smd: 1(-2.085,14) 2(2.085,14) 3(-2.085,12) 4(2.085,12) 5(-2.085,10) 6(2.085,10) 7(-2.085,8) 8(2.085,8) 9(-2.085,6) 10(2.085,6) 11(-2.085,4) 12(2.085,4) 13(-2.085,2) 14(2.085,2) 15(-2.085,0) 16(2.085,0) 17(-2.085,-2) 18(2.085,-2) 19(-2.085,-4) 20(2.085,-4) 21(-2.085,-6) 22(2.085,-6) 23(-2.085,-8) 24(2.085,-8) 25(-2.085,-10) 26(2.085,-10) 27(-2.085,-12) 28(2.085,-12) 29(-2.085,-14) 30(2.085,-14)
QFN-36-1EP_6x6mm_P0.5mm_EP3.7x3.7mm
  rrect 0.99x0.99 smd: (-1.23,1.23) (-1.23,0) (-1.23,-1.23) (0,1.23) (0,0) (0,-1.23) (1.23,1.23) (1.23,0) (1.23,-1.23)
  rrect 0.825x0.25 smd: 1(-2.938,2) 2(-2.938,1.5) 3(-2.938,1) 4(-2.938,0.5) 5(-2.938,0) 6(-2.938,-0.5) 7(-2.938,-1) 8(-2.938,-1.5) 9(-2.938,-2) 19(2.938,-2) 20(2.938,-1.5) 21(2.938,-1) 22(2.938,-0.5) 23(2.938,0) 24(2.938,0.5) 25(2.938,1) 26(2.938,1.5) 27(2.938,2)
  rrect 0.25x0.825 smd: 10(-2,-2.938) 11(-1.5,-2.938) 12(-1,-2.938) 13(-0.5,-2.938) 14(0,-2.938) 15(0.5,-2.938) 16(1,-2.938) 17(1.5,-2.938) 18(2,-2.938) 28(2,2.938) 29(1.5,2.938) 30(1,2.938) 31(0.5,2.938) 32(0,2.938) 33(-0.5,2.938) 34(-1,2.938) 35(-1.5,2.938) 36(-2,2.938)
  rect 3.7x3.7 smd: 37(0,0)
R_0402_1005Metric
  rrect 0.54x0.64 smd: 1(-0.51,0) 2(0.51,0)
R_0402_1005Metric_Pad0.72x0.64mm_HandSolder
  rrect 0.715x0.64 smd: 1(-0.598,0) 2(0.598,0)
R_0603_1608Metric
  rrect 0.8x0.95 smd: 1(-0.825,0) 2(0.825,0)
R_0603_1608Metric_Pad0.98x0.95mm_HandSolder
  rrect 0.975x0.95 smd: 1(-0.912,0) 2(0.912,0)
Raspberry-Pi-5-Compute-Module
  round 2.7 hole 2.7 unplated: (0,0) (0,48) (33,0) (33,48)
  rect 0.7x0.2 smd: 1(-2.04,31.3) 2(1.04,31.3) 3(-2.04,30.9) 4(1.04,30.9) 5(-2.04,30.5) 6(1.04,30.5) 7(-2.04,30.1) 8(1.04,30.1) 9(-2.04,29.7) 10(1.04,29.7) 11(-2.04,29.3) 12(1.04,29.3) 13(-2.04,28.9) 14(1.04,28.9) 15(-2.04,28.5) 16(1.04,28.5) 17(-2.04,28.1) 18(1.04,28.1) 19(-2.04,27.7) 20(1.04,27.7) 21(-2.04,27.3) 22(1.04,27.3) 23(-2.04,26.9) 24(1.04,26.9) 25(-2.04,26.5) 26(1.04,26.5) 27(-2.04,26.1) 28(1.04,26.1) 29(-2.04,25.7) 30(1.04,25.7) 31(-2.04,25.3) 32(1.04,25.3) 33(-2.04,24.9) 34(1.04,24.9) 35(-2.04,24.5) 36(1.04,24.5) 37(-2.04,24.1) 38(1.04,24.1) 39(-2.04,23.7) 40(1.04,23.7) 41(-2.04,23.3) 42(1.04,23.3) 43(-2.04,22.9) 44(1.04,22.9) 45(-2.04,22.5) 46(1.04,22.5) 47(-2.04,22.1) 48(1.04,22.1) 49(-2.04,21.7) 50(1.04,21.7) 51(-2.04,21.3) 52(1.04,21.3) 53(-2.04,20.9) 54(1.04,20.9) 55(-2.04,20.5) 56(1.04,20.5) 57(-2.04,20.1) 58(1.04,20.1) 59(-2.04,19.7) 60(1.04,19.7) 61(-2.04,19.3) 62(1.04,19.3) 63(-2.04,18.9) 64(1.04,18.9) 65(-2.04,18.5) 66(1.04,18.5) 67(-2.04,18.1) 68(1.04,18.1) 69(-2.04,17.7) 70(1.04,17.7) 71(-2.04,17.3) 72(1.04,17.3) 73(-2.04,16.9) 74(1.04,16.9) 75(-2.04,16.5) 76(1.04,16.5) 77(-2.04,16.1) 78(1.04,16.1) 79(-2.04,15.7) 80(1.04,15.7) 81(-2.04,15.3) 82(1.04,15.3) 83(-2.04,14.9) 84(1.04,14.9) 85(-2.04,14.5) 86(1.04,14.5) 87(-2.04,14.1) 88(1.04,14.1) 89(-2.04,13.7) 90(1.04,13.7) 91(-2.04,13.3) 92(1.04,13.3) 93(-2.04,12.9) 94(1.04,12.9) 95(-2.04,12.5) 96(1.04,12.5) 97(-2.04,12.1) 98(1.04,12.1) 99(-2.04,11.7) 100(1.04,11.7) 101(31.96,31.3) 102(35.04,31.3) 103(31.96,30.9) 104(35.04,30.9) 105(31.96,30.5) 106(35.04,30.5) 107(31.96,30.1) 108(35.04,30.1) 109(31.96,29.7) 110(35.04,29.7) 111(31.96,29.3) 112(35.04,29.3) 113(31.96,28.9) 114(35.04,28.9) 115(31.96,28.5) 116(35.04,28.5) 117(31.96,28.1) 118(35.04,28.1) 119(31.96,27.7) 120(35.04,27.7) 121(31.96,27.3) 122(35.04,27.3) 123(31.96,26.9) 124(35.04,26.9) 125(31.96,26.5) 126(35.04,26.5) 127(31.96,26.1) 128(35.04,26.1) 129(31.96,25.7) 130(35.04,25.7) 131(31.96,25.3) 132(35.04,25.3) 133(31.96,24.9) 134(35.04,24.9) 135(31.96,24.5) 136(35.04,24.5) 137(31.96,24.1) 138(35.04,24.1) 139(31.96,23.7) 140(35.04,23.7) 141(31.96,23.3) 142(35.04,23.3) 143(31.96,22.9) 144(35.04,22.9) 145(31.96,22.5) 146(35.04,22.5) 147(31.96,22.1) 148(35.04,22.1) 149(31.96,21.7) 150(35.04,21.7) 151(31.96,21.3) 152(35.04,21.3) 153(31.96,20.9) 154(35.04,20.9) 155(31.96,20.5) 156(35.04,20.5) 157(31.96,20.1) 158(35.04,20.1) 159(31.96,19.7) 160(35.04,19.7) 161(31.96,19.3) 162(35.04,19.3) 163(31.96,18.9) 164(35.04,18.9) 165(31.96,18.5) 166(35.04,18.5) 167(31.96,18.1) 168(35.04,18.1) 169(31.96,17.7) 170(35.04,17.7) 171(31.96,17.3) 172(35.04,17.3) 173(31.96,16.9) 174(35.04,16.9) 175(31.96,16.5) 176(35.04,16.5) 177(31.96,16.1) 178(35.04,16.1) 179(31.96,15.7) 180(35.04,15.7) 181(31.96,15.3) 182(35.04,15.3) 183(31.96,14.9) 184(35.04,14.9) 185(31.96,14.5) 186(35.04,14.5) 187(31.96,14.1) 188(35.04,14.1) 189(31.96,13.7) 190(35.04,13.7) 191(31.96,13.3) 192(35.04,13.3) 193(31.96,12.9) 194(35.04,12.9) 195(31.96,12.5) 196(35.04,12.5) 197(31.96,12.1) 198(35.04,12.1) 199(31.96,11.7) 200(35.04,11.7)
SOIC-8_3.9x4.9mm_P1.27mm
  rrect 1.95x0.6 smd: 1(-2.475,1.905) 2(-2.475,0.635) 3(-2.475,-0.635) 4(-2.475,-1.905) 5(2.475,-1.905) 6(2.475,-0.635) 7(2.475,0.635) 8(2.475,1.905)
SOIC-14_3.9x8.7mm_P1.27mm
  rrect 1.95x0.6 smd: 1(-2.475,3.81) 2(-2.475,2.54) 3(-2.475,1.27) 4(-2.475,0) 5(-2.475,-1.27) 6(-2.475,-2.54) 7(-2.475,-3.81) 8(2.475,-3.81) 9(2.475,-2.54) 10(2.475,-1.27) 11(2.475,0) 12(2.475,1.27) 13(2.475,2.54) 14(2.475,3.81)
SolderJumper-2_P1.3mm_Open_RoundedPad1.0x1.5mm
  custom 1x1.5 smd: 1(-0.65,0) 2(0.65,0)
SOT-23
  rrect 1.475x0.6 smd: 1(-0.938,0.95) 2(-0.938,-0.95) 3(0.938,0)
SOT-363_SC-70-6
  rrect 0.65x0.4 smd: 1(-0.95,0.65) 2(-0.95,0) 3(-0.95,-0.65) 4(0.95,-0.65) 5(0.95,0) 6(0.95,0.65)
SW_Tactile_SPST_NO_Straight_CK_PTS636Sx25SMTRLFS
  rect 1.25x1 smd: 1(-3.875,0) 2(3.875,0)
TestPoint_Pad_D1.0mm
  round 1 smd: 1(0,0)
TI_SO-PowerPAD-8
  rect 1.91x0.61 smd: 1(-2.78,1.905) 2(-2.78,0.635) 3(-2.78,-0.635) 4(-2.78,-1.905) 5(2.78,-1.905) 6(2.78,-0.635) 7(2.78,0.635) 8(2.78,1.905)
  rect 1.205x1.55 smd: 9(-0.603,0.775) 9(-0.603,-0.775) 9(0.603,0.775) 9(0.603,-0.775)
USB3_A_Molex_48393-001
  rrect 1.2x1.2 hole 0.7: 1(0,0)
  round 1.2 hole 0.7: 2(2.5,0) 3(4.5,0) 4(7,0) 5(7.5,1.5) 6(5.5,1.5) 7(3.5,1.5) 8(1.5,1.5) 9(-0.5,1.5)
  oval 1.2x2.4 hole 0.6x1.7: 10(-2.9,0.75) 10(9.9,0.75)
  oval 1.2x2.1 hole 0.6x1.4: 10(-2.9,-7.75) 10(9.9,-7.75)
USB_C_Receptacle_GCT_USB4105-xx-A_16P_TopMnt_Horizontal
  round 0.65 hole 0.65 unplated: (-2.89,2.605) (2.89,2.605)
  rrect 0.6x1.15 smd: A1(-3.2,3.68) A4(-2.4,3.68) A9(2.4,3.68) A12(3.2,3.68) B1(3.2,3.68) B4(2.4,3.68) B9(-2.4,3.68) B12(-3.2,3.68)
  rrect 0.3x1.15 smd: A5(-1.25,3.68) A6(-0.25,3.68) A7(0.25,3.68) A8(1.25,3.68) B5(1.75,3.68) B6(0.75,3.68) B7(-0.75,3.68) B8(-1.75,3.68)
  oval 1x1.8 hole 0.6x1.4: S1(-4.32,-1.075) S1(4.32,-1.075)
  oval 1x2.1 hole 0.6x1.7: S1(-4.32,3.105) S1(4.32,3.105)
WSON-6-1EP_2x2mm_P0.65mm_EP1x1.6mm
  rrect 0.81x0.64 smd: (0,0.4) (0,-0.4)
  rrect 0.375x0.4 smd: 1(-0.887,0.65) 2(-0.887,0) 3(-0.887,-0.65) 4(0.887,-0.65) 5(0.887,0) 6(0.887,0.65)
  rect 1x1.6 smd: 7(0,0)

## Nets
+1V8_CMOUT: Module1.88 Module1.90
+3V3: C8.1 C19.1 C34.1 C35.1 C36.1 C37.1 C38.1 C39.1 C54.2 C55.2 C88.1 C89.1 C91.1 C92.1 C93.1 C94.1 C95.1 C96.1 C97.1 C98.1 C99.1 C100.1 C101.1 C104.1 C121.1 C137.1 C144.1 D2.2 D3.1 D13.2 FB1.1 J10.4 Q2.3 R7.1 R34.1 R127.1 R129.1 R135.2 R136.2 R137.2 R138.2 R139.2 SW3.2 SW5.2 U2.1 U4.5 U5.1 U5.9 U5.24 U5.36 U5.48 U9.14 U10.14 U12.17 U12.30 U12.39 U12.52 U12.62 U12.72 U12.84 U12.95 U12.108 U12.121 U12.131 U12.144 U14.5 U17.5 U19.5
+3V3_CMOUT: C124.1 C125.1 C126.1 C127.1 C128.1 C129.1 C130.1 C131.1 D15.2 D16.2 Module1.84 Module1.86 NT1.1 R52.2 R53.2 R54.1 R55.1 R56.1 U15.5 U15.10 U15.15 U15.23 U15.26 U15.27 U15.29 U15.36
+3V_BAT: BT1.P Module1.76
+5V: C82.1 D34.1 F25.2 J9.2 J9.29 R43.1 TP12.1 U1.1 U11.1
+5V_CM: C18.1 C41.1 C43.1 C44.1 C45.1 C120.1 C136.1 C143.1 D5.1 F1.1 F3.2 F4.1 J4.1 U4.3 U6.6 U7.6 U8.6 U14.3 U17.3 U19.3
+24V: C9.1 C10.2 C111.1 C112.2 D1.1 D32.2 F2.2 F5.1 F6.1 F7.1 F8.1 F9.1 F10.1 F11.1 F12.1 F13.1 F14.1 F15.1 F16.1 F17.1 F18.1 F19.1 F20.1 F21.1 F22.1 F23.1 F24.1 R5.1 R9.1 TP13.1 U3.7 U13.7
/computer/3V3_CAM: C40.1 C47.1 J5.1 U7.1
/computer/3V3_DISP: C42.1 C48.1 J6.1 J6.2 U8.1
/computer/compute module/VBUS_EN: Module1.111
/power/5V_proUPS: C7.1 J2.2 R8.1 R11.1 U1.3 U1.6 U2.6
/power/24V_SENSE: C6.1 R9.2 R10.1 U12.21
/vcu mcu/VBAT: U12.6
/vcu mcu/VDDA_MCU: C102.1 C103.1 FB1.2 R128.1 U12.33
